# Allegro board A527_draft_V1_0.brd (continued)
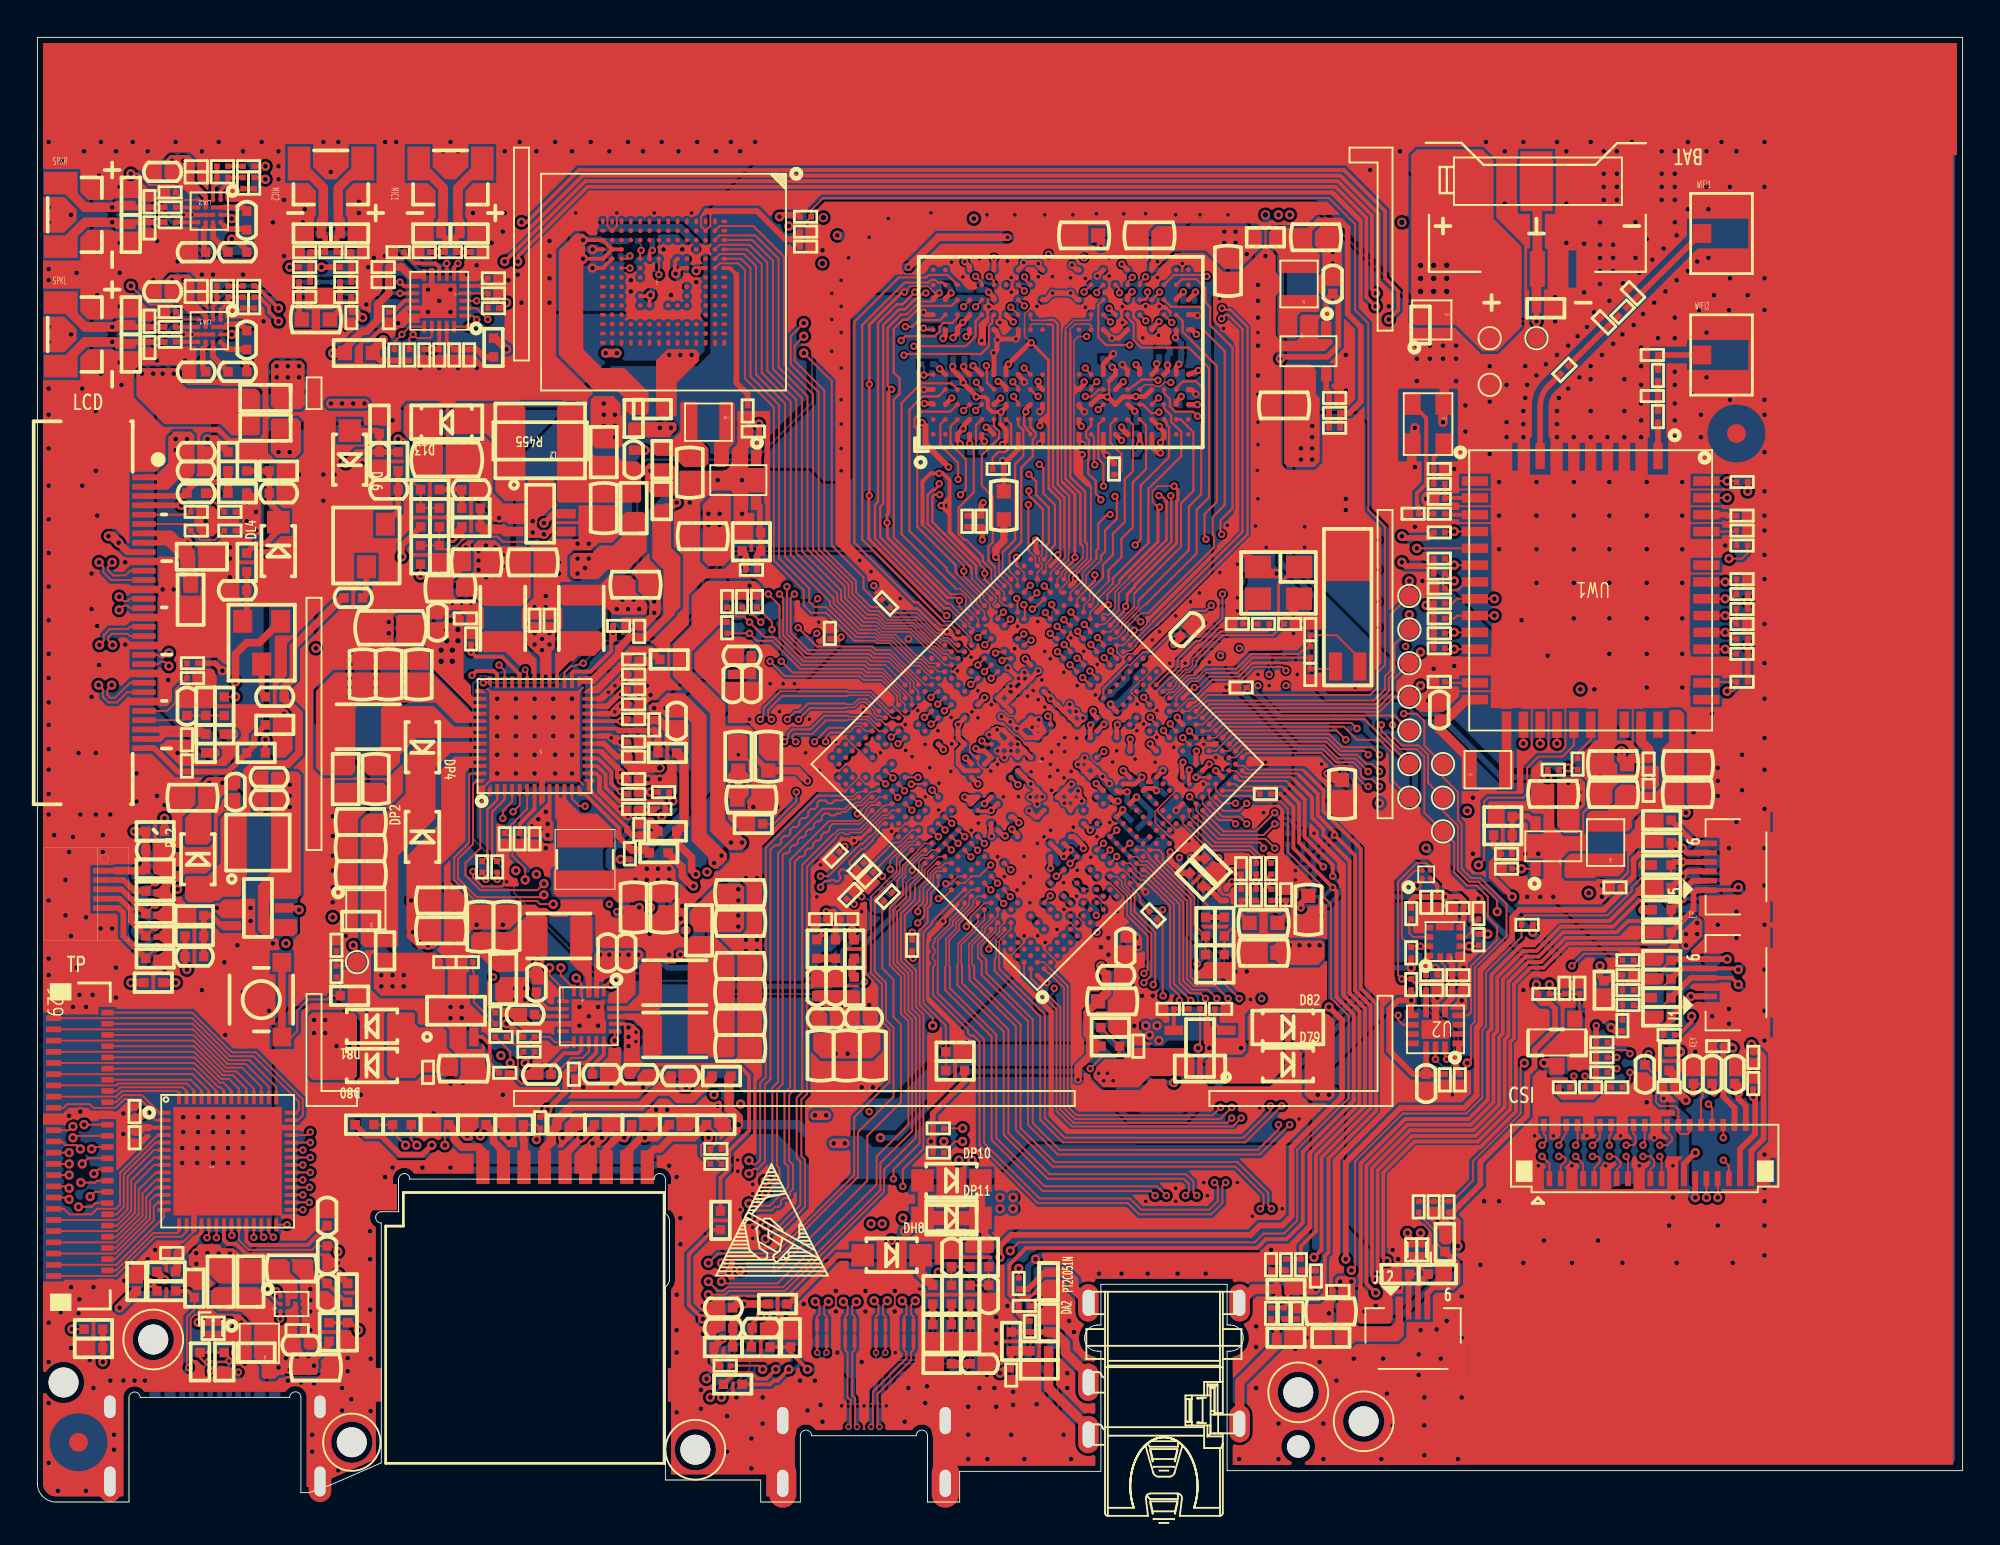
[diagram p0: board, top side]
## Copper pours and planes (outline as drawn; the poured copper is in the pictures) (continued)
GND on ART03 (solid shape): 73.75,35.06 73.77,35.08 73.8,35.07 73.88,35.04 73.9,35.01 73.9,35 73.97,34.78 74.15,34.63 74.16,34.63 74.17,34.6 74.17,31.42 74.17,31.4 74.16,31.39 72.58,29.8 72.55,29.79 72.53,29.79 72.52,29.8 72.5,29.82 72.5,30.43 72.5,30.45 72.51,30.46 73.49,31.44 73.5,31.45 73.5,31.47 73.5,34.8 73.5,34.82 73.51,34.83
GND on ART03 (solid shape): 50.7,33.1 50.73,33.09 50.74,33.07 50.78,32.99 50.78,32.96 50.77,32.95 50.71,32.75 50.79,32.55 50.8,32.54 50.81,32.52 50.77,32.43 50.75,32.41 50.73,32.4 50.14,32.4 50.12,32.4 50.1,32.39 47.53,29.81 47.52,29.8 47.47,29.81 47.45,29.83 47.45,29.84 47.45,29.87 48.09,30.5 48.1,30.52 48.1,30.54 48.1,31 48.1,31.02 48.11,31.03 50.17,33.09 50.18,33.1 50.2,33.1
GND on ART03 (solid shape): 74.32,49.94 74.35,49.95 74.37,49.95 74.38,49.94 74.4,49.92 74.4,49.2 74.4,49.18 74.39,49.17 73.21,48 73.2,47.98 73.2,47.96 73.2,47.87 73.19,47.85 73.14,47.8 73.11,47.8 73.03,47.84 73.01,47.86 73,47.88 73,48.92 73.01,48.94 73.03,48.96 73.11,49 73.14,49 73.15,48.99 73.61,48.96 73.79,49.38 73.79,49.39 73.8,49.41
GND on ART03 (solid shape): 41.68,28.99 41.7,29 41.72,29.01 41.8,28.99 41.82,28.97 41.82,28.96 42.09,28.71 42.45,28.79 42.48,28.8 43.12,28.8 43.14,28.8 43.16,28.78 43.21,28.72 43.21,28.69 43.25,28.41 43.45,28.23 43.47,28.22 43.48,28.19 43.47,28.15 43.43,28.11 43.42,28.1 43.4,28.1 40.89,28.1 40.87,28.11 40.85,28.13 40.85,28.14 40.85,28.17
GND on ART03 (solid shape): 33.67,30.22 34.15,29.74 34.16,29.72 34.16,29.7 34.16,29.63 34.14,29.61 34.15,28.99 34.75,29.11 34.76,29.12 34.78,29.14 34.86,29.15 34.88,29.15 34.9,29.14 35.86,28.18 35.87,28.15 35.87,28.13 35.86,28.12 35.84,28.1 34.4,28.1 34.38,28.1 34.37,28.11 33.61,28.87 33.6,28.88 33.6,28.9 33.6,30.18 33.61,30.2 33.63,30.22 33.64,30.22
GND on ART03 (solid shape): 49.54,34.41 49.56,34.42 49.58,34.43 49.66,34.41 49.68,34.4 49.68,34.39 49.81,34.26 50,34.24 50.03,34.23 50.09,34.18 50.1,34.17 50.11,34.15 50.11,33.91 50.1,33.89 50.09,33.87 48.62,32.4 48.6,32.39 48.58,32.39 48.49,32.4 48.48,32.42 48.47,32.43 48.25,32.6 47.99,32.51 47.97,32.5 47.96,32.5 47.43,32.5 47.41,32.51 47.39,32.53 47.39,32.54 47.39,32.57 48.61,33.79 48.63,33.8 48.64,33.8 48.91,33.8 48.92,33.8 48.94,33.81
GND on ART03 (solid shape): 15.8,14.45 15.82,14.46 15.85,14.46 15.86,14.45 15.87,14.43 15.87,13.77 15.87,13.75 15.85,13.73 15.71,13.23 16.18,13.02 16.22,13.01 16.28,12.96 16.29,12.95 16.3,12.93 16.3,12.71 16.3,12.7 16.29,12.68 16.2,12.6 16.18,12.59 16.17,12.59 16.04,12.6 15.92,12.56 15.86,12.55 15.85,12.55 15.83,12.56 15.36,13.04 15.34,13.05 15.33,13.05 14.51,13.05 14.48,13.06 14.47,13.08 14.46,13.09 14.47,13.12
GND on ART03 (solid shape): 35.36,32.12 35.38,32.11 35.4,32.09 35.4,32.07 35.4,32.05 35.4,29.89 35.39,29.87 35.37,29.85 35.36,29.85 35.33,29.85 34.99,30.2 34.98,30.21 34.98,30.23 34.97,30.3 34.99,30.32 34.95,30.92 34.36,30.81 34.34,30.79 34.26,30.78 34.24,30.79 34.22,30.8 33.47,31.54 33.46,31.56 33.47,31.59 33.47,31.6 33.49,31.62 33.89,31.62 33.91,31.62 33.92,31.63 34.4,32.1 34.41,32.11 34.43,32.12
GND on ART03 (solid shape): 25.74,23.29 25.76,23.28 25.77,23.27 25.95,23.13 26.18,23.11 26.19,23.11 26.21,23.1 26.75,22.56 26.77,22.55 26.79,22.55 38.95,22.55 38.97,22.55 38.99,22.53 39,22.5 39,22.48 38.99,22.47 38.97,22.45 35.29,22.45 35.27,22.45 35.25,22.44 34.83,22.01 34.82,22 34.8,22 28.25,22 28.23,22 28.22,22.01 27.79,22.44 27.78,22.45 27.76,22.45 26.55,22.45 26.53,22.45 26.52,22.46 26.08,22.9 26.06,22.91 26.05,22.92 25.4,22.92 25.38,22.92 25.37,22.93 25.34,22.96 25.33,22.98 25.33,23 25.36,23.09 25.37,23.11 25.39,23.11 25.52,23.17 25.63,23.27 25.64,23.28 25.66,23.29
GND on ART03 (solid shape): 35.74,22.05 35.76,22.04 35.77,22.03 35.82,21.96 35.83,21.94 35.82,21.93 36,21.45 36.5,21.53 36.51,21.55 36.53,21.55 37.16,21.55 37.18,21.54 37.2,21.53 37.25,21.46 37.25,21.44 37.25,21.43 37.23,21.3 37.25,21.17 37.25,21.16 37.25,21.14 37.2,21.07 37.18,21.06 37.16,21.05 36.8,21.05 36.79,21.05 36.77,21.04 36.45,20.71 36.43,20.7 36.42,20.7 33.08,20.7 33.07,20.7 33.05,20.71 32.24,21.52 32.23,21.55 32.23,21.57 32.24,21.58 32.26,21.6 34.96,21.6 34.98,21.6 35,21.61 35.42,22.04 35.43,22.05 35.45,22.05
GND on ART03 (solid shape): 32.76,39.26 32.78,39.27 32.8,39.27 32.89,39.25 32.91,39.23 32.91,39.22 33.05,38.99 33.3,38.9 34.01,38.9 34.03,38.89 34.05,38.87 34.06,38.86 34.05,38.83 33.73,38.51 33.72,38.5 33.7,38.5 33.64,38.5 33.62,38.5 33.6,38.49 33.29,38.17 33.27,38.16 33.25,38.16 33.17,38.17 33.15,38.19 32.62,38.36 32.44,37.83 32.44,37.82 32.44,37.8 32.4,37.72 32.38,37.71 32.36,37.7 31.7,37.7 31.68,37.71 31.66,37.73 31.66,37.74 31.66,37.77 32.11,38.22 32.12,38.23 32.12,38.25 32.12,38.61 32.13,38.63 32.14,38.64
GND on ART03 (solid shape): 82.02,45.7 83.84,43.88 83.85,43.87 83.85,43.85 83.85,42.59 83.84,42.57 83.82,42.55 83.81,42.55 83.78,42.55 82.95,43.39 82.94,43.41 82.94,43.42 82.27,43.78 82.63,43.11 82.64,43.11 82.66,43.1 83.44,42.33 83.45,42.32 83.45,42.3 83.45,39.54 83.45,39.52 83.46,39.5 83.79,39.18 83.8,39.17 83.8,39.15 83.8,35.75 83.8,35.73 83.79,35.72 81.78,33.71 81.75,33.7 81.73,33.7 81.72,33.71 81.7,33.73 81.7,33.77 81.71,33.78 83.59,35.65 83.6,35.67 83.6,35.69 83.6,38.26 83.6,38.28 83.59,38.3 83.31,38.57 83.3,38.58 83.3,38.6 83.3,39.66 83.3,39.68 83.29,39.7 82.91,40.07 82.9,40.08 82.9,40.1 82.9,41.91 82.9,41.93 82.89,41.95 81.96,42.87 81.95,42.88 81.95,42.9 81.95,45.66 81.96,45.68 81.98,45.7 81.99,45.7
GND on ART03 (solid shape): 50.36,14.9 50.37,14.9 50.39,14.89 50.42,14.85 50.44,14.83 50.43,14.8 50.4,14.72 50.38,14.7 50.37,14.7 50.12,14.02 50.8,14.27 50.8,14.28 50.82,14.3 50.91,14.33 50.93,14.34 50.95,14.32 51.26,14.01 51.28,14 51.29,14 51.96,14 51.97,14 51.99,13.99 52.05,13.93 52.06,13.89 52.05,13.86 52.02,13.85 51.8,13.76 51.67,13.56 51.65,13.54 51.59,13.5 51.56,13.49 51.4,13.49 51.25,13.41 51.22,13.4 49.34,13.4 49.33,13.4 49.31,13.41 48.44,14.29 48.42,14.3 48.41,14.3 46.88,14.3 46.86,14.3 46.84,14.32 46.79,14.38 46.79,14.41 46.79,14.59 46.71,14.75 46.7,14.76 46.7,14.79 46.74,14.87 46.76,14.89 46.78,14.9
GND on ART03 (solid shape): 71.16,41.85 71.18,41.84 71.2,41.82 71.2,41.81 71.2,41.78 71.02,41.6 71,41.59 70.98,41.59 70.9,41.59 70.88,41.61 70.36,41.65 70.38,41.13 70.4,41.11 70.4,41.09 70.4,40.9 70.4,40.88 70.37,40.85 70.34,40.84 70.29,40.87 69.76,40.99 70,40.5 70.02,40.49 70.09,40.43 70.1,40.42 70.1,40.4 70.1,38.04 70.1,38.02 70.11,38 70.79,37.33 70.8,37.32 70.8,37.3 70.8,36.9 70.8,36.88 70.79,36.87 70.43,36.51 70.4,36.5 70.38,36.5 70.37,36.51 70.35,36.53 70.35,36.69 70.35,36.7 70.34,36.72 69.96,37.09 69.95,37.11 69.95,37.12 69.95,39.38 69.95,39.4 69.94,39.42 69.56,39.79 69.55,39.81 69.55,39.82 69.55,40.98 69.55,40.99 69.56,41.01 70.39,41.84 70.41,41.85 70.42,41.85
GND on ART03 (solid shape): 60.11,29.6 60.13,29.59 60.15,29.57 60.16,29.56 60.15,29.53 59.22,28.61 59.2,28.6 58.93,28.43 58.97,28.11 58.98,28.09 58.98,28.01 58.97,27.99 58.96,27.62 59.33,27.53 59.41,27.5 59.82,27.37 60.05,27.74 60.05,27.77 61.27,28.99 61.28,29 61.3,29 61.62,29 61.64,29 61.66,28.98 61.71,28.92 61.7,28.82 61.7,28.72 61.65,28.66 61.63,28.65 61.61,28.65 61.51,28.65 61.49,28.65 61.48,28.64 60.3,27.45 60.27,27.45 59.91,27.25 59.98,26.85 59.99,26.84 59.99,26.82 59.95,26.73 59.94,26.71 59.91,26.7 57.09,26.7 57.07,26.71 57.05,26.73 57.05,26.74 57.05,26.77 59.87,29.59 59.88,29.6 59.9,29.6
GND on ART03 (solid shape): 41.51,48.11 41.53,48.12 41.57,48.11 41.71,48.05 41.87,48.08 41.88,48.08 41.91,48.08 41.98,48.03 41.99,48.02 42,47.99 42,46.83 41.99,46.81 41.98,46.79 41.9,46.75 41.87,46.75 41.86,46.75 41.42,46.61 41.64,46.21 41.65,46.2 41.67,46.19 41.7,46.1 41.7,46.07 41.69,46.05 40.45,44.81 40.43,44.8 40.42,44.8 40.17,44.8 40.15,44.8 40.14,44.82 40.09,44.88 40.09,44.91 40.09,44.92 39.94,45.26 39.57,45.19 39.55,45.18 39.53,45.18 39.47,45.18 39.45,45.18 39.43,45.19 39.39,45.23 39.33,45.27 39.32,45.29 39.32,45.3 39.33,45.34 39.36,45.35 39.43,45.35 39.44,45.35 39.46,45.36 40.34,46.24 40.35,46.26 40.35,46.27 40.35,46.51 40.36,46.53 40.38,46.55 40.46,46.59 40.49,46.58 40.5,46.58 40.98,46.69 40.71,47.1 40.7,47.1 40.67,47.12 40.64,47.21 40.64,47.23 40.65,47.25
GND on ART03 (solid shape): outline of 87 points within 5.8,29.64 18.85,33
GND on ART03 (solid shape): outline of 84 points within 29.26,34.89 34.48,38.6
GND on ART03 (solid shape): outline of 151 points within 50.35,33.5 53.09,36.11
GND on ART03 (solid shape): outline of 109 points within 73,39.13 76.5,48.75
GND on ART03 (solid shape): outline of 141 points within 37.09,35.23 49.77,43.25
GND on ART03 (solid shape): outline of 340 points within 6.27,17.67 25.94,30.53
GND on ART03 (solid shape): outline of 144 points within 15.55,22.72 28.59,29.7
GND on ART03 (solid shape): outline of 935 points within 73.89,26.65 83,50.5
GND on ART03 (solid shape): outline of 15786 points within 0.3,0.3 102.8,77.6
GND on ART04 (solid shape): 28.5,64.5 28.52,64.5 28.53,64.49 29.04,63.98 29.05,63.95 29.05,63.93 29.04,63.92 29.02,63.9 25.54,63.9 25.52,63.91 25.51,63.92 25.46,64 25.46,64.02 25.46,64.03 25.5,64.2 25.46,64.37 25.46,64.38 25.46,64.4 25.51,64.48 25.52,64.49 25.54,64.5
GND on ART04 (solid shape): 32.98,31.46 33.06,31.41 33.07,31.39 33.08,31.37 33.08,29.25 33.07,29.22 33.05,29.2 33.03,29.2 33.01,29.2 32.28,29.94 32.26,29.95 32.24,29.95 31.42,29.95 31.39,29.96 31.38,29.98 31.37,29.99 31.38,30.02 32.78,31.42 32.88,31.43 32.96,31.46
GND on ART04 (solid shape): 63.2,12.5 63.22,12.5 63.23,12.49 63.69,12.03 63.7,12.01 63.7,11.98 63.69,11.97 63.67,11.96 56.64,11.96 56.61,11.94 56.6,11.91 56.6,11.85 56.59,11.83 56.58,11.81 56.51,11.76 56.49,11.76 56.44,11.78 56.42,11.8 56.42,12.22 56.43,12.24 56.44,12.25 56.67,12.49 56.68,12.5 56.7,12.5
GND on ART04 (solid shape): 45.87,38.47 45.88,38.46 45.9,38.43 45.88,38.4 43.05,35.57 43.03,35.55 43,35.56 42.99,35.56 42.98,35.58 42.98,36.37 42.98,36.39 42.99,36.41 44.81,38.23 44.83,38.24 44.84,38.24 45.13,38.24 45.15,38.24 45.16,38.23 45.47,38.16 45.67,38.39 45.68,38.41 45.74,38.46 45.8,38.46 45.85,38.47
GND on ART04 (solid shape): 89.47,44.75 90.29,43.92 90.3,43.9 90.31,43.88 90.29,43.8 90.27,43.78 90.26,43.78 90,43.45 90.18,43.07 90.19,43.05 90.2,43.03 90.2,42.4 90.2,42.38 90.19,42.37 85.78,37.96 85.75,37.95 85.73,37.95 85.72,37.96 85.7,37.98 85.7,38.8 85.7,38.82 85.71,38.83 89.39,42.5 89.4,42.52 89.4,42.54 89.4,44.71 89.41,44.73 89.43,44.75 89.44,44.75
GND on ART04 (solid shape): 23.26,19.9 23.28,19.89 23.3,19.88 23.34,19.8 23.34,19.78 23.34,19.77 23.39,19.35 23.78,19.21 23.79,19.21 23.81,19.2 24.34,18.68 24.35,18.65 24.35,18.63 24.34,18.62 24.32,18.6 22.6,18.6 22.58,18.6 22.57,18.61 22.2,18.99 22.19,19.01 22.19,19.02 22.14,19.31 21.9,19.49 21.89,19.49 21.87,19.51 21.85,19.59 21.85,19.62 21.86,19.64 22.11,19.89 22.13,19.9 22.14,19.9
GND on ART04 (solid shape): 54.84,33.33 54.86,33.32 54.87,33.31 56.24,31.95 56.25,31.94 56.25,31.92 56.25,31.26 56.25,31.24 56.26,31.22 56.58,30.91 56.59,30.89 56.59,30.87 56.58,30.79 56.57,30.77 56.56,30.76 56.44,30.65 56.4,30.5 56.39,30.48 55.91,30 55.9,29.98 55.9,29.96 55.9,28.44 55.9,28.42 55.91,28.4 57.94,26.38 57.95,26.35 57.95,26.33 57.94,26.32 57.92,26.3 57.88,26.3 57.87,26.31 55.82,28.36 55.81,28.38 55.81,28.4 55.81,31.96 55.8,31.98 55.79,31.99 54.72,33.06 54.72,33.07 54.71,33.09 54.71,33.26 54.72,33.27 54.76,33.32
GND on ART04 (solid shape): 37.32,60.75 39.09,58.98 39.1,58.95 39.1,56.02 39.09,56 39.06,55.97 39.03,55.98 37.28,57.73 38.2,57.73 38.2,57.67 38.21,57.61 38.22,57.56 38.25,57.51 38.28,57.46 38.32,57.42 38.36,57.38 38.41,57.35 38.46,57.32 38.51,57.31 38.57,57.3 38.63,57.3 38.69,57.31 38.74,57.32 38.79,57.35 38.84,57.38 38.88,57.42 38.92,57.46 38.95,57.51 38.98,57.56 38.99,57.61 39,57.67 39,57.73 38.99,57.79 38.98,57.84 38.95,57.89 38.92,57.94 38.88,57.98 38.84,58.02 38.79,58.05 38.74,58.08 38.69,58.09 38.63,58.1 38.57,58.1 38.51,58.09 38.46,58.08 38.41,58.05 38.36,58.02 38.32,57.98 38.28,57.94 38.25,57.89 38.22,57.84 38.21,57.79 38.2,57.73 37.28,57.73 37.25,57.78 37.25,60.71 37.26,60.73 37.29,60.76
GND on ART04 (solid shape): 78.2,16.75 78.22,16.75 78.24,16.74 79.1,15.88 79.11,15.85 79.11,15.83 79.1,15.82 79.08,15.8 78.77,15.8 78.75,15.8 78.74,15.79 78.61,15.66 78.6,15.65 78.56,15.66 78.43,15.79 78.41,15.8 78.4,15.8 78.07,15.8 78.05,15.8 78.04,15.79 77.91,15.66 77.9,15.65 77.86,15.66 77.73,15.79 77.71,15.8 77.7,15.8 77.37,15.8 77.35,15.8 77.34,15.79 77.21,15.66 77.2,15.65 77.16,15.66 77.03,15.79 77.01,15.8 77,15.8 76.67,15.8 76.65,15.8 76.64,15.79 76.51,15.66 76.5,15.65 76.45,15.65 76.44,15.66 75.43,16.67 75.42,16.7 75.42,16.72 75.43,16.73 75.45,16.75
GND on ART04 (solid shape): 44.22,36.31 44.25,36.32 44.27,36.32 44.28,36.32 44.3,36.29 44.3,32.77 44.3,32.75 44.28,32.74 44.22,32.69 44.19,32.69 44.18,32.69 43.92,32.64 43.8,32.39 43.79,32.37 43.73,32.31 43.66,32.3 43.61,32.29 43.58,32.29 43.52,32.34 43.51,32.35 43.5,32.37 43.5,34.46 43.5,34.48 43.49,34.5 43.3,34.68 43.29,34.7 43.29,34.72 43.3,34.81 43.32,34.82 43.33,34.83 43.5,35.08 43.37,35.35 43.36,35.36 43.35,35.38 43.35,35.42 43.35,35.44 43.36,35.45
GND on ART04 (solid shape): 56.31,12.8 56.33,12.79 56.35,12.77 56.36,12.76 56.35,12.73 56.03,12.42 56.03,12.4 56.02,12.39 56.02,11.8 56.01,11.78 55.99,11.77 55.65,11.52 55.52,11.11 55.52,10.21 55.63,9.83 55.94,9.57 55.95,9.57 55.96,9.55 55.98,9.46 55.97,9.44 55.97,9.43 55.78,8.43 56.56,7.79 56.58,7.78 56.6,7.76 56.6,7.6 56.59,7.58 56.58,7.56 56.51,7.51 56.49,7.51 56.48,7.51 56.22,7.56 55.96,7.51 55.94,7.5 55.92,7.51 54.91,8.51 54.9,8.53 54.9,8.54 54.9,9.96 54.9,9.97 54.91,9.99 55.09,10.16 55.1,10.18 55.1,10.19 55.1,11.76 55.1,11.77 55.11,11.79 56.11,12.79 56.13,12.8 56.14,12.8
GND on ART04 (solid shape): 68.46,33.93 68.46,33.92 68.61,33.71 68.85,33.65 68.86,33.66 68.88,33.65 68.95,33.58 68.96,33.56 68.95,33.55 68.97,33.4 69.04,33.26 69.06,33.24 69.06,33.16 69,33.09 68.97,33.02 68.95,33 68.84,32.98 68.82,33 68.81,33 66.23,33 66.21,33 66.19,33.02 66.14,33.08 66.14,33.11 65.98,33.5 65.56,33.46 65.54,33.44 65.46,33.44 65.44,33.46 65.02,33.5 64.86,33.11 64.86,33.08 64.81,33.02 64.79,33 64.77,33 64.54,33 64.53,33 64.51,33.01 64.11,33.41 64.07,33.45 64.05,33.46 64.05,33.49 64.05,33.54 64.08,33.55 64.89,33.55 64.9,33.55 64.92,33.56 65.29,33.94 65.31,33.95 65.32,33.95 68.43,33.95
GND on ART04 (solid shape): 5.97,45.84 6,45.85 6.02,45.85 6.03,45.84 6.05,45.82 6.05,45.19 6.05,45.17 6.06,45.15 6.43,44.79 6.44,44.78 6.46,44.77 6.61,44.77 6.64,44.75 6.64,44.73 7.2,44.38 7.32,45.04 7.3,45.06 7.3,45.14 7.32,45.16 7.44,45.4 7.38,45.66 7.37,45.68 7.37,45.71 7.38,45.72 7.41,45.73 7.44,45.72 7.47,45.7 7.48,45.7 7.79,45.7 7.81,45.7 7.82,45.71 7.93,45.82 7.94,45.82 8.05,45.71 8.07,45.7 8.08,45.7 8.39,45.7 8.41,45.7 8.42,45.71 8.53,45.82 8.54,45.82 8.65,45.71 8.67,45.7 8.68,45.7 9.01,45.7 9.03,45.69 9.05,45.67 9.05,45.66 9.05,45.63 7.08,43.66 7.07,43.65 7.05,43.65 6.75,43.65 6.73,43.65 6.72,43.66 5.6,44.79 5.58,44.8 5.56,44.8 5.05,44.8 5.02,44.81 5,44.83 5,44.84 5,44.87
GND on ART04 (solid shape): outline of 81 points within 82.6,14.95 85.9,18.63
GND on ART04 (solid shape): 80.91,35 80.93,34.99 80.95,34.97 80.95,34.96 80.95,34.93 79.95,33.93 79.92,33.92 79.9,33.92 79.81,33.94 79.8,33.96 79.79,33.98 79.25,34.27 79.06,33.69 79.07,33.68 79.07,33.65 79.02,33.57 79.01,33.56 78.98,33.55 74.89,33.55 74.87,33.55 74.86,33.54 74.03,32.71 74.02,32.7 74,32.7 72.29,32.7 72.27,32.71 72.25,32.73 72.25,32.74 72.25,32.77 73.27,33.79 73.28,33.8 73.3,33.8 76.82,33.8 76.85,33.79 77.48,34.21 76.72,34.23 76.72,34.22 76.69,34.2 73.14,34.2 73.12,34.2 73.1,34.19 70.13,31.21 70.12,31.2 70.1,31.2 67.99,31.2 67.97,31.21 67.95,31.23 67.95,31.24 67.95,31.27 68.37,31.69 68.38,31.7 68.4,31.7 70.36,31.7 70.38,31.7 70.4,31.71 72.97,34.29 72.98,34.3 73,34.3 75.06,34.3 75.08,34.3 75.1,34.31 75.77,34.99 75.78,35 75.8,35
GND on ART04 (solid shape): 60.26,38.05 60.28,38.05 60.3,38.04 60.88,37.46 60.89,37.44 60.89,37.42 60.87,37.33 60.85,37.32 60.84,37.31 60.71,36.81 61.21,36.94 61.22,36.95 61.23,36.97 61.32,36.99 61.34,36.99 61.36,36.98 62.44,35.91 62.45,35.89 62.45,35.88 62.45,34.91 62.45,34.9 62.46,34.88 62.9,34.45 62.91,34.43 62.97,34.3 63.09,34.22 63.1,34.22 63.11,34.2 63.13,34.11 63.13,34.09 63.12,34.07 63.06,34.02 63.05,34 63.05,33.98 63.05,33.32 63.05,33.31 63.04,33.29 62.75,33 62.66,32.97 62.57,32.91 62.21,32.91 62.19,32.92 62.18,32.93 61.06,34.05 61.04,34.07 61.05,34.09 61.08,34.18 61.1,34.2 61.12,34.2 61.23,34.23 61.35,34.32 61.37,34.32 61.43,34.32 61.45,34.32 61.47,34.31 62,34.51 61.45,34.67 61.44,34.65 61.41,34.65 61.36,34.65 61.35,34.67 61.35,35.52 61.35,35.54 61.34,35.55 59.56,37.33 59.55,37.35 59.55,37.37 59.55,37.77 59.55,37.79 59.57,37.81 59.65,37.85 59.68,37.85 59.69,37.84 59.96,37.8 60.15,38 60.16,38.02 60.17,38.03
GND on ART04 (solid shape): 49.91,37.52 49.92,37.52 49.94,37.51 50.79,36.65 50.81,36.62 50.79,36.59 50.59,36.39 50.58,36.38 50.58,36.36 50.58,35.66 50.58,35.65 50.61,35.62 50.62,35.58 50.59,35.54 50.43,35.44 50.37,35.27 50.36,35.25 50.3,35.2 50.28,35.19 50.09,35.1 50.01,34.91 50,34.89 49.95,34.84 49.88,34.83 49.83,34.89 49.81,34.9 49.81,34.92 49.81,35.37 49.81,35.39 49.82,35.4 49.74,35.88 49.31,35.64 49.3,35.62 49.25,35.56 49.23,35.56 49.04,35.47 48.96,35.28 48.95,35.26 48.9,35.21 48.88,35.2 48.68,35.11 48.6,34.91 48.6,34.88 48.08,34.36 48.05,34.35 48.03,34.35 48.02,34.36 48,34.38 48,35.11 48,35.13 48.01,35.14 48.18,35.31 48.2,35.32 48.41,35.4 48.5,35.59 48.51,35.62 48.56,35.67 48.58,35.68 48.77,35.76 48.86,35.95 48.87,35.98 48.92,36.03 48.94,36.04 49.22,36.29 49.03,36.62 49.02,36.62 49,36.64 48.98,36.72 48.98,36.74 49,36.76 49.67,37.43 49.75,37.47 49.84,37.52
GND on ART04 (solid shape): 36.02,56.95 36.04,56.95 36.05,56.94 37.94,55.05 37.95,55.04 37.95,55.02 37.95,50.88 37.94,50.86 37.92,50.84 37.91,50.84 37.88,50.84 37.41,51.31 37.4,51.33 37.4,51.34 37.4,54.91 37.4,54.92 37.39,54.94 36.01,56.32 36,56.34 35.32,56.58 35.56,55.9 35.58,55.89 36.79,54.69 36.8,54.67 36.8,54.66 36.8,53.34 36.79,53.32 36.78,53.3 36.7,53.26 36.68,53.26 36.67,53.26 36.45,53.3 36.24,53.21 36.16,53.21 35.62,53.18 35.59,52.64 35.55,52.5 35.52,52.43 35.5,52.41 35.42,52.39 35.4,52.4 35.38,52.41 34.9,52.89 34.88,52.9 34.86,52.9 34,52.9 33.98,52.9 33.97,52.91 33.11,53.77 33.1,53.8 33.1,53.82 33.11,53.83 33.13,53.85 33.78,53.85 33.81,53.84 33.82,53.83 33.87,53.75 33.87,53.72 33.86,53.71 34.32,53.12 34.36,53.87 34.35,53.87 34.33,53.89 34.32,53.97 34.32,54 34.33,54.02 34.54,54.22 34.55,54.24 34.55,54.26 34.55,55.44 34.55,55.46 34.54,55.48 33.14,56.87 33.13,56.9 33.13,56.92 33.13,56.93 33.16,56.95
GND on ART04 (solid shape): outline of 105 points within 24.06,18.02 36.3,21.2
GND on ART04 (solid shape): outline of 189 points within 51.64,64.3 57.76,66.75
GND on ART04 (solid shape): 38.47,33.75 38.48,33.75 38.5,33.74 38.64,33.6 38.65,33.58 38.65,33.57 38.65,23.03 38.64,23 38.62,22.99 38.61,22.98 38.58,22.99 37.41,24.15 37.4,24.17 37.4,24.19 37.4,29.74 37.4,29.76 37.39,29.77 36.26,30.9 36.25,30.92 36.25,30.94 36.26,31.02 36.27,31.04 36.28,31.04 36.45,31.22 36.5,31.45 36.6,31.55 36.87,31.52 37.01,31.5 37.03,31.49 37.09,31.43 37.1,31.41 37.12,31.27 37.19,31.06 37.5,30.4 37.81,31.06 37.81,31.14 37.9,31.45 37.73,31.73 37.72,31.74 37.71,31.76 37.71,31.84 37.72,31.86 37.73,31.87 37.9,32.15 37.81,32.46 37.81,32.54 37.5,33.2 37.19,32.54 37.15,32.4 36.89,32.28 36.66,32.21 36.21,32.25 36,31.85 36,31.82 35.98,31.78 35.96,31.77 35.94,31.78 35.87,31.83 35.86,31.84 35.85,31.86 35.85,32.41 35.85,32.42 35.86,32.44 36.19,32.76 36.2,32.78 36.2,32.79 36.2,33.58 36.22,33.65 36.23,33.72 36.25,33.75
GND on ART04 (solid shape): outline of 126 points within 67.9,18.38 84.95,19.9
GND on ART04 (solid shape): outline of 370 points within 41.4,19.8 45,30.2
GND on ART04 (solid shape): outline of 593 points within 46.16,58.7 51.8,66.46
GND on ART04 (solid shape): outline of 646 points within 37.3,9.1 48.48,21.04
GND on ART04 (solid shape): outline of 921 points within 59.65,32.7 75.55,41.4
GND on ART04 (solid shape): outline of 17452 points within 0.3,0.3 102.7,77.7
GND on ART02: 39,0.3 39,1.48 33.9,1.48 33.9,11.39 34.07,11.64 34.12,11.94 34.12,15.03 34.06,15.32 33.9,15.58 33.9,17.28 33.72,17.71 33.3,17.88 33.28,17.88 32.98,17.8 32.77,17.58 20.15,17.58 19.9,17.82 19.55,17.88 19.18,17.68 19.02,17.29 19.02,15.84 18.4,15.84 17.97,15.66 17.8,15.24 17.88,14.94 18.1,14.72 18.1,2.3 15.61,1.21 14.47,0.8 14.4,0.8 14.4,5.6 13.96,6.18 13.28,5.9 5.71,5.9 5.05,6.17 4.6,5.6 4.6,0.3 1,0.3 0.51,0.51 0.3,1 0.3,66.6 0.1,66.6 0.1,77.7 102.5,77.7 102.5,69.5 102.7,69.5 102.7,2.2 76.34,2.2 76.11,2.04 75.83,1.98 63.95,1.98 63.95,7.78 64.82,8.77 63.95,9.77 63.95,11.96 56.6,11.96 56.6,9.77 55.72,8.77 56.6,7.78 56.6,1.94 49.04,1.94 49.04,0.3 47.92,0.3 47.92,3.55 47.59,4.09 46.96,4.03 46.87,3.95 46.8,3.85 41.64,3.85 40.96,4.13 40.52,3.55 40.52,0.3 ; 2 cut-outs
GND on ART05: 39,0.3 39,1.48 33.9,1.48 33.9,11.39 34.07,11.64 34.12,11.94 34.12,15.03 34.06,15.32 33.9,15.58 33.9,17.28 33.72,17.71 33.3,17.88 33.28,17.88 32.98,17.8 32.77,17.58 20.15,17.58 19.9,17.82 19.55,17.88 19.18,17.68 19.02,17.29 19.02,15.84 18.4,15.84 17.97,15.66 17.8,15.24 17.88,14.94 18.1,14.72 18.1,2.3 15.61,1.21 14.47,0.8 14.4,0.8 14.4,5.6 13.96,6.18 13.28,5.9 5.71,5.9 5.05,6.17 4.6,5.6 4.6,0.3 1,0.3 0.51,0.51 0.3,1 0.3,71.9 0.3,73.1 0.5,73.1 0.5,77.6 102.6,77.6 102.6,74.7 102.8,74.7 102.8,2 75.99,2 75.91,1.99 75.83,1.98 63.95,1.98 63.95,7.78 64.82,8.77 63.95,9.77 63.95,11.96 56.6,11.96 56.6,9.77 55.72,8.77 56.6,7.78 56.6,1.94 49.04,1.94 49.04,0.3 47.92,0.3 47.92,3.55 47.59,4.09 46.96,4.03 46.87,3.95 46.8,3.85 41.64,3.85 40.96,4.13 40.52,3.55 40.52,0.3 ; 1 cut-out
VBAT on TOP (solid shape): 31.2,58.8 31.2,58.2 31.3,58.1 31.3,56.6 31.1,56.4 29.9,56.4 29.6,56.7 29.6,59 29.8,59.2 30.8,59.2
VBAT on TOP (solid shape): 77.9,71.8 77.9,68.7 79.4,67.2 79.4,62.9 78.1,61.6 77.3,61.6 75.9,63 73.7,63 73.5,63.2 73.5,72.1 73.8,72.4 77.3,72.4
VBAT on TOP (solid shape): 22.8,47.4 22.8,44.1 23.2,43.7 23.2,43.2 23.3,43.1 23.72,43.1 23.82,43 23.72,42.9 23.34,42.9 23.3,42.86 23.3,42.74 23.34,42.7 23.72,42.7 23.82,42.6 23.72,42.5 23.26,42.5 21.1,44.66 21.1,45.5 20.7,45.9 19.3,45.9 19.2,46 19.2,47.4 19.3,47.5 20.5,47.5 20.9,47.1 21.7,47.1 22.2,47.6 22.6,47.6
VBAT on BOTTOM (solid shape): outline of 1158 points within 21.3,44.35 76.2,72.7
VBUS on TOP (solid shape): 23.72,39.9 23.73,39.9 23.76,39.89 23.78,39.88 23.8,39.85 23.81,39.83 23.82,39.8 23.81,39.77 23.8,39.75 23.78,39.72 23.76,39.71 23.73,39.7 23.72,39.7 23.34,39.7 23.3,39.66 23.3,39.54 23.34,39.5 23.72,39.5 23.73,39.5 23.76,39.49 23.78,39.48 23.8,39.45 23.81,39.43 23.82,39.4 23.81,39.37 23.8,39.35 23.78,39.32 23.76,39.31 23.73,39.3 23.72,39.3 23.14,39.3 22.9,39.06 22.9,35.4 21.6,34.1 21.6,30 21.2,29.6 20.4,29.6 19.75,30.25 19.75,34.55 21.6,36.4 21.6,39.2 22,39.6 23.04,39.6 22,39.6 22.3,39.9
VBUS on TOP (solid shape): 9.07,13.8 9.12,13.8 9.71,13.79 9.89,13.61 9.9,13.6 9.92,13.6 10.03,13.6 10.04,13.6 10.09,13.58 10.5,13.58 10.52,13.57 10.53,13.56 11.08,13.01 11.09,13 11.11,13 13.28,13 13.31,12.99 13.49,12.81 13.5,12.8 13.5,12.78 13.5,12.32 13.5,12.3 13.51,12.29 13.82,11.98 13.82,11.97 13.83,11.97 13.89,11.91 13.9,11.9 13.9,11.88 13.9,11 13.89,10.96 13.86,10.95 13.66,10.95 13.64,10.95 13.62,10.94 13.46,10.78 13.45,10.76 13.45,10.74 13.45,10.6 13.44,10.56 13.4,10.55 13.35,10.55 13.31,10.56 13.3,10.6 13.3,11.18 13.3,11.2 13.29,11.21 13.16,11.34 13.14,11.37 13.05,11.55 12.87,11.64 12.81,11.69 12.8,11.7 12.78,11.7 12.49,11.7 12.47,11.71 12.3,11.75 12.13,11.71 12.11,11.7 9.72,11.7 9.69,11.71 8.91,12.49 8.9,12.5 8.88,12.5 8.32,12.5 8.29,12.51 8.11,12.69 8.1,12.71 8.1,13.21 8.1,13.23 8.11,13.24 8.66,13.79 8.67,13.8 8.69,13.8 9.03,13.8
VBUS on ART04 (solid shape): outline of 509 points within 7.1,12.5 21.75,32.6
VCC-5V on TOP (solid shape): 14.1,57.8 14.1,56.2 13.8,55.9 12.8,55.9 12.5,56.2 12.5,57.9 12.6,58 13.9,58
VCC-5V on TOP (solid shape): 21.7,29 21.7,28.7 21.8,28.6 21.8,27.2 21.7,27.1 18.4,27.1 18,27.5 18,29.2 18.2,29.4 21.3,29.4
VCC-5V on TOP (solid shape): 61.28,24.3 61.3,24.3 61.31,24.29 61.89,23.71 61.9,23.7 61.9,23.68 61.9,22.92 61.9,22.9 61.89,22.89 61.81,22.81 61.8,22.8 61.78,22.8 61.01,22.8 60.98,22.81 60.8,22.85 60.62,22.81 60.59,22.8 59.52,22.8 59.5,22.8 59.49,22.79 58.91,22.21 58.9,22.2 58.88,22.2 57.02,22.2 57,22.2 56.99,22.21 56.51,22.69 56.5,22.7 56.5,22.72 56.5,22.93 56.52,22.97 56.6,23.07 56.63,23.21 56.64,23.24 57.09,23.69 57.1,23.7 57.12,23.7 58.08,23.7 58.1,23.7 58.11,23.71 58.69,24.29 58.7,24.3 58.72,24.3
VCC-5V on BOTTOM (solid shape): outline of 2277 points within 12.4,13 52.5,57.4
VCC-5V-USB on TOP (solid shape): 70.05,12.09 70.23,12.01 70.44,12.02 70.5,12 70.5,11.98 70.5,9.62 70.5,9.6 70.51,9.59 70.69,9.41 70.7,9.4 70.72,9.4 72.38,9.4 72.4,9.4 72.41,9.41 72.61,9.61 72.63,9.62 72.66,9.64 72.66,9.66 72.66,10.94 72.66,10.96 72.7,11 72.72,11 72.98,11 73,11 73.01,10.99 73.05,10.95 73.06,10.94 73.06,10.92 73.06,9.67 73.06,9.65 73.1,9.61 73.1,9.59 73.1,8.92 73.1,8.9 73.09,8.89 72.81,8.61 72.8,8.6 72.78,8.6 70.52,8.6 70.5,8.6 70.49,8.59 70.31,8.41 70.3,8.4 70.28,8.4 69.52,8.4 69.5,8.4 69.49,8.41 69.41,8.49 69.4,8.5 69.4,8.52 69.4,9.18 69.4,9.2 69.41,9.21 69.49,9.29 69.5,9.3 69.5,9.32 69.5,10.58 69.5,10.6 69.51,10.61 69.59,10.69 69.6,10.7 69.6,10.72 69.6,11.48 69.6,11.5 69.58,11.56 69.56,11.59 69.53,11.6 69.5,11.6 69.49,11.61 69.46,11.64 69.45,11.65 69.45,11.67 69.45,11.93 69.45,11.95 69.46,11.96 69.59,12.09 69.6,12.1 69.62,12.1
VCC-5V-USB on BOTTOM (solid shape): outline of 122 points within 68.2,11.5 71.3,22.2
VCC-DRAML on TOP (solid shape): 65.5,68 65.5,67.2 64.3,66 63.5,66 62.5,67 60.8,67 59.8,66 59.8,65.95 59.65,65.8 59.6,65.8 59.5,65.9 59.5,66.3 59.6,66.4 59.6,68 59.9,68.3 65.2,68.3
VCC-DRAML on BOTTOM (solid shape): 54.83,43.45 54.85,43.45 54.86,43.44 55.39,42.91 55.4,42.9 55.42,42.9 55.78,42.9 55.8,42.9 55.81,42.89 56.19,42.51 56.2,42.5 56.2,42.48 56.2,42.44 56.2,42.43 56.18,42.34 56.2,42.24 56.2,42.23 56.2,41.89 56.19,41.87 56.18,41.85 56.12,41.8 56.04,41.7 55.52,41.7 55.5,41.7 55.49,41.71 54.69,42.51 54.68,42.55 54.51,42.84 54.18,42.8 54.16,42.79 54.12,42.8 54.02,42.9 54.01,42.91 54.01,42.93 54.01,43.09 54.01,43.11 54.02,43.12 54.34,43.44 54.35,43.45 54.37,43.45
VCC-DRAML on ART03 (solid shape): outline of 8870 points within 43.42,41.72 64.75,68.3
VCC-LCD on TOP (solid shape): 13.88,39.1 13.9,39.1 13.91,39.09 14.09,38.91 14.1,38.9 14.1,38.88 14.1,32.52 14.1,32.5 14.09,32.49 13.91,32.31 13.9,32.3 13.88,32.3 12.62,32.3 12.6,32.3 12.59,32.29 12.41,32.11 12.4,32.1 12.4,32.08 12.4,31.42 12.4,31.4 12.41,31.39 12.59,31.21 12.6,31.2 12.62,31.2 13.78,31.2 13.8,31.2 13.81,31.19 13.89,31.11 13.9,31.1 13.9,31.08 13.9,30.52 13.9,30.5 13.89,30.49 13.71,30.31 13.7,30.3 13.68,30.3 12.12,30.3 12.1,30.3 12.09,30.31 11.81,30.59 11.8,30.6 11.8,30.62 11.8,32.98 11.8,33 11.81,33.01 12.49,33.69 12.5,33.7 12.5,33.72 12.5,38.98 12.5,39 12.51,39.01 12.59,39.09 12.6,39.1 12.62,39.1
VCC-LCD on BOTTOM (solid shape): outline of 361 points within 9.6,36.9 18.2,59.3
VCC-LCD on ART04 (solid shape): outline of 217 points within 15.2,54 34.4,60.3
VDD-CPUB on BOTTOM (solid shape): outline of 1572 points within 35.85,27.9 53.06,41.6
VDD-CPUB on ART03 (solid shape): outline of 1385 points within 35.65,28.7 52.64,41.6
VDD-DNR on TOP (solid shape): 26.08,28.1 26.1,28.1 26.11,28.09 26.3,27.9 26.3,27.7 26.3,26.9 26.3,26.72 26.3,26.7 26.29,26.69 26.21,26.61 26.2,26.6 26.18,26.6 24.82,26.6 24.8,26.6 24.79,26.61 24.51,26.89 24.5,26.9 24.5,26.92 24.5,27.74 24.53,27.77 24.68,27.89 24.75,28.06 24.78,28.1
VDD-DNR on BOTTOM (solid shape): outline of 1235 points within 55.3,24.4 68.9,44.3
VDD-DNR on ART03 (solid shape): outline of 764 points within 25.3,22.4 60.3,28
VDD-DNR on ART03 (solid shape): outline of 1067 points within 55.4,29.57 68.9,40.4
323-DCDC3 on TOP (solid shape): 27.18,31.4 27.2,31.4 27.21,31.39 27.28,31.32 27.29,31.31 27.29,31.29 27.29,29.31 27.29,29.29 27.28,29.28 27.21,29.21 27.2,29.2 27.18,29.2 27,29.2 26.98,29.2 26.64,29.22 26.42,28.96 26.37,28.85 26.34,28.71 26.3,28.7 26.3,28.62 26.3,28.6 26.29,28.59 26.11,28.41 26.1,28.4 26.08,28.4 24.59,28.4 24.52,28.43 24.44,28.46 23.21,29.69 23.2,29.7 23.2,29.72 23.2,30.28 23.2,30.3 23.21,30.31 23.39,30.49 23.4,30.5 23.42,30.5 25.28,30.5 25.3,30.5 25.31,30.51 26.19,31.39 26.2,31.4 26.22,31.4
